# Allegro board SG2042_EVB_V2_0.brd (continued)
## Routing (per net, layer and track width the routed paths; a pad name or vN(x,y) marks a point on that pad's centre or on a via; arc(x,y) is an arc through that point) (continued)
USB2_DM: length 13
  TOP w0.099: J103.B7 v1(6.45,160.03) ; R12716.1 10.81,160.62 10.38,160.62 10.16,160.4 10.16,159.54 9.78,159.17 9.33,159.17 D523.1 8.96,159.17 8.47,159.17 v1(8.31,159) 8.28,159.03 J103.A7
  BOTTOM w0.099: v1(8.31,159) 8.14,159.17 7.62,159.17 7.26,159.52 7.26,160.41 6.97,160.71 6.04,160.71 5.77,160.43 5.77,159.21 5.97,159.01 6.35,159.01 6.45,159.11 v1(6.45,160.03)
USB2_DN: length 68.3
  TOP w0.099: v1(34.82,155.1) 34.63,154.9 31.6,154.9 31.52,154.99 U3241.51
  ART03 w0.107: v1(34.82,155.1) 34.72,154.99 arc(34.63,154.93) 34.51,154.91 34.49,154.91 arc(34.38,154.93) 34.29,154.99 34.27,155.01 arc(34.21,155.1) 34.19,155.21 34.19,155.43 arc(34.25,155.73) 34.41,155.98 34.59,156.15 arc(34.89,156.6) 34.99,157.12 34.99,208.93 29.96,213.96 29.17,213.96 v1(28.98,214.15)
  BOTTOM w0.099: R12611.1 28.22,214.27 L1018.2 28.89,214.24 v1(28.98,214.15)
USB2_DP: length 13
  TOP w0.099: R12717.1 10.81,160.85 10.28,160.85 9.93,160.5 9.93,159.64 9.69,159.4 9.33,159.4 D522.1 8.96,159.39 8.47,159.39 v1(8.31,159.56) 8.28,159.53 J103.A6 ; J103.B6 v1(6.45,158.53)
  BOTTOM w0.099: v1(8.31,159.56) 8.14,159.39 7.71,159.39 7.49,159.61 7.49,160.5 7.06,160.93 5.94,160.93 5.54,160.53 5.54,159.12 5.87,158.78 6.35,158.78 6.45,158.69 v1(6.45,158.53)
USB2_DP_16773809: length 68.3
  TOP w0.099: v1(34.82,154.49) 34.63,154.68 31.6,154.68 31.52,154.59 U3241.50
  ART03 w0.107: v1(28.98,213.54) 29.17,213.73 29.86,213.73 34.76,208.83 34.76,157.12 arc(34.67,156.69) 34.42,156.32 34.25,156.14 arc(34.03,155.82) 33.95,155.43 33.95,155.21 arc(33.99,155.01) 34.11,154.84 34.12,154.82 arc(34.29,154.71) 34.49,154.67 34.51,154.67 arc(34.63,154.65) 34.72,154.59 v1(34.82,154.49)
  BOTTOM w0.099: v1(28.98,213.54) 28.89,213.44 L1018.3 28.22,213.41 R12609.1
USB2_RX_N: length 0.9
  BOTTOM w0.099: R12601.1 C6008.1
USB2_RX_P: length 0.9
  BOTTOM w0.099: R12603.1 C6007.1
USB2_TX_N: length 0.9
  BOTTOM w0.099: R12605.1 C5919.2
USB2_TX_P: length 0.9
  BOTTOM w0.099: R12607.1 C5918.2
USB3_DN: length 53.2
  TOP w0.099: U3241.59 27.43,156.28 27.51,156.37 27.51,158.84 v1(27.32,159.03) ; R12792.1 21.42,196.39 L1029.3 22.08,196.36 v1(22.17,196.27)
  ART14 w0.107: v1(22.17,196.27) 22.28,196.16 arc(22.37,196.1) 22.48,196.08 22.82,196.08 arc(23.03,196.04) 23.2,195.92 24.47,194.65 arc(24.57,194.59) 24.68,194.57 29.51,194.57 arc(30.31,194.24) 30.64,193.44 30.64,191.25 arc(30.56,190.84) 30.32,190.5 30.25,190.43 arc(30.07,190.16) 30.01,189.83 30.01,179.73 arc(30.18,178.85) 30.68,178.1 30.75,178.04 arc(31.3,177.21) 31.5,176.24 31.5,162.81 arc(31.14,161.04) 30.14,159.54 28.92,158.32 arc(28.75,158.2) 28.54,158.16 28.04,158.16 arc(27.84,158.2) 27.68,158.31 27.63,158.36 arc(27.54,158.49) 27.51,158.65 27.51,158.72 arc(27.49,158.83) 27.42,158.93 v1(27.32,159.03)
USB3_DP: length 53.3
  TOP w0.099: v1(22.17,195.66) 22.08,195.56 L1029.2 21.42,195.53 R12794.1 ; v1(27.93,159.03) 27.74,158.84 27.74,156.37 27.83,156.28 U3241.58
  ART14 w0.107: v1(27.93,159.03) 27.83,158.93 arc(27.76,158.83) 27.74,158.72 27.74,158.65 arc(27.76,158.58) 27.8,158.52 27.84,158.48 arc(27.93,158.42) 28.04,158.39 28.54,158.39 arc(28.66,158.42) 28.75,158.48 29.97,159.7 arc(30.93,161.13) 31.26,162.81 31.26,176.24 arc(31.09,177.12) 30.59,177.87 30.52,177.94 arc(29.97,178.76) 29.78,179.73 29.78,189.83 arc(29.86,190.24) 30.09,190.59 30.16,190.66 arc(30.34,190.93) 30.4,191.25 30.4,193.44 arc(30.14,194.07) 29.51,194.33 24.68,194.33 arc(24.48,194.37) 24.3,194.49 24.03,194.76 arc(23.86,194.83) 23.69,194.76 23.48,194.55 arc(23.14,194.55) 23.14,194.9 23.34,195.1 arc(23.42,195.28) 23.34,195.45 23.1,195.69 arc(22.93,195.8) 22.73,195.84 22.48,195.84 arc(22.37,195.82) 22.28,195.76 v1(22.17,195.66)
USB3_RX_N: length 0.9
  TOP w0.099: R12784.1 C6006.1
USB3_RX_P: length 0.9
  TOP w0.099: R12786.1 C6005.1
USB3_TX_N: length 0.9
  TOP w0.099: R12788.1 C5916.2
USB3_TX_P: length 0.9
  TOP w0.099: R12790.1 C5915.2
USB4_DN: length 49.7
  TOP w0.099: U3241.68 23.83,156.28 23.91,156.37 23.91,159.22 v1(23.72,159.41)
  ART03 w0.107: v1(23.72,159.41) 23.82,159.31 arc(23.89,159.21) 23.91,159.1 23.91,159.03 arc(23.94,158.86) 24.04,158.71 24.07,158.68 arc(24.23,158.58) 24.41,158.54 24.69,158.54 arc(25.12,158.63) 25.47,158.86 28.33,161.72 arc(30.67,165.23) 31.5,169.36 31.5,177.29 29.95,178.84 29.95,189.58 31.5,191.12 31.5,194.6 30.02,196.08 29.17,196.08 v1(28.98,196.27)
  BOTTOM w0.099: v1(28.98,196.27) 28.89,196.36 L1030.2 28.22,196.39 R12795.1
USB4_DP: length 49.8
  TOP w0.099: U3241.67 24.23,156.28 24.14,156.37 24.14,159.22 v1(24.33,159.41)
  ART03 w0.107: v1(24.33,159.41) 24.23,159.31 arc(24.16,159.21) 24.14,159.1 24.14,159.03 arc(24.16,158.95) 24.21,158.87 24.23,158.85 arc(24.32,158.79) 24.41,158.78 24.69,158.78 arc(25.03,158.84) 25.31,159.03 28.17,161.89 arc(30.46,165.32) 31.26,169.36 31.26,177.19 29.72,178.74 29.72,189.68 31.26,191.22 31.26,194.5 30.92,194.84 arc(30.75,194.91) 30.58,194.84 30.38,194.64 arc(30.03,194.64) 30.03,194.98 30.23,195.19 arc(30.3,195.36) 30.23,195.53 29.92,195.84 29.17,195.84 v1(28.98,195.66)
  BOTTOM w0.099: R12793.1 28.22,195.53 L1030.3 28.89,195.56 v1(28.98,195.66)
USB4_RX_N: length 0.9
  BOTTOM w0.099: R12785.1 C6004.1
USB4_RX_P: length 0.9
  BOTTOM w0.099: R12787.1 C6003.1
USB4_TX_N: length 0.9
  BOTTOM w0.099: R12789.1 C5910.1
USB4_TX_N_L: length 49.7
  TOP w0.099: U3241.62 26.23,156.28 26.31,156.37 26.31,157.29 v1(26.12,157.48)
  ART03 w0.107: v1(26.12,157.48) 26.22,157.58 arc(26.29,157.68) 26.31,157.79 26.31,157.96 arc(26.42,158.24) 26.7,158.35 27.76,158.35 arc(28.92,158.58) 29.9,159.24 30.68,160.02 arc(31.9,161.84) 32.33,164 32.33,196.53 31.32,197.54 arc(31.2,197.59) 31.08,197.54 arc(30.96,197.49) 30.84,197.54 30.73,197.64 arc(30.68,197.76) 30.73,197.88 arc(30.78,198) 30.73,198.12 30.02,198.84 29.5,198.84 v1(29.31,198.65)
  BOTTOM w0.099: v1(29.31,198.65) 29.18,198.53 C5910.2
USB4_TX_P: length 0.9
  BOTTOM w0.099: R12791.1 C5912.1
USB4_TX_P_L: length 49.7
  TOP w0.099: U3241.61 26.63,156.28 26.54,156.37 26.54,157.29 v1(26.73,157.48)
  ART03 w0.107: v1(29.31,199.26) 29.5,199.08 30.11,199.08 32.56,196.62 32.56,164 arc(32.12,161.75) 30.84,159.85 30.06,159.07 arc(29.01,158.36) 27.76,158.12 26.7,158.12 arc(26.59,158.07) 26.54,157.96 26.54,157.79 arc(26.56,157.68) 26.63,157.58 v1(26.73,157.48)
  BOTTOM w0.099: v1(29.31,199.26) 29.18,199.39 C5912.2
USB5_DN: length 233
  TOP w0.099: v1(37.06,171.55) 36.87,171.36 28.52,171.36 28.02,170.85 27.49,170.85 27.21,171.14 L1007.3 26.62,171.17 R12453.1 ; v1(217.73,167.94) 217.92,167.75 217.92,166.83 217.83,166.75 U3259.68
  ART05 w0.089: v1(217.73,167.94) 217.92,168.14 217.92,168.46 217.74,168.64 216.84,168.64 216.55,168.35 216.55,165.06 198.03,146.55 158.61,146.55 147.22,135.15 74.22,135.15 55.14,154.24 48.92,154.24 44.31,158.84 44.31,161.53 42.94,162.9 38.21,162.9 35.85,165.26 35.85,170.93 36.28,171.35 36.86,171.35 v1(37.06,171.55)
USB5_DP: length 233
  TOP w0.099: U3259.67 218.23,166.75 218.15,166.83 218.15,167.75 v1(218.34,167.94) ; v1(37.06,170.94) 36.87,171.13 28.62,171.13 28.11,170.62 27.49,170.62 27.21,170.34 L1007.2 26.62,170.31 R12455.1
  ART05 w0.089: v1(218.34,167.94) 218.14,168.14 218.14,168.55 217.83,168.86 216.75,168.86 216.33,168.44 216.33,165.15 197.94,146.76 158.52,146.76 147.13,135.37 74.31,135.37 55.23,154.45 49,154.45 44.53,158.93 44.53,161.62 43.03,163.12 38.3,163.12 36.07,165.35 36.07,169.53 arc(36.11,169.64) 36.22,169.68 arc(36.34,169.73) 36.38,169.84 36.38,169.97 arc(36.34,170.08) 36.22,170.13 arc(36.11,170.18) 36.07,170.29 36.07,170.84 36.37,171.14 36.86,171.14 v1(37.06,170.94)
USB6_DN: length 231.8
  TOP w0.099: v1(221.33,167.94) 221.52,167.75 221.52,166.83 221.43,166.74 U3259.59 ; R12456.1 26.62,168.07 L1008.2 27.21,168.1 27.49,168.39 27.92,168.39 28.43,167.88 36.87,167.88 v1(37.06,167.69)
  ART05 w0.089: v1(37.06,167.69) 37.26,167.89 37.72,167.89 38.29,167.32 38.29,166.91 arc(38.24,166.8) 38.13,166.75 arc(38.02,166.71) 37.98,166.6 37.98,166.46 arc(38.02,166.35) 38.13,166.31 arc(38.24,166.26) 38.29,166.15 38.29,165.5 39.09,164.71 42.58,164.71 45.33,161.95 45.33,159.27 48.04,156.55 50.74,156.55 52.03,155.26 55.56,155.26 74.65,136.17 146.79,136.17 158.19,147.57 197.61,147.57 213.14,163.1 213.14,168.01 214.8,169.66 220.38,169.66 221.52,168.52 221.52,168.14 v1(221.33,167.94)
USB6_DP: length 231.8
  TOP w0.099: v1(37.06,168.3) 36.87,168.11 28.52,168.11 28.02,168.62 27.49,168.62 27.21,168.9 L1008.3 26.62,168.94 R12454.1 ; v1(221.94,167.94) 221.75,167.75 221.75,166.83 221.83,166.75 U3259.58
  ART05 w0.089: v1(37.06,168.3) 37.26,168.1 37.81,168.1 38.51,167.41 38.51,165.59 39.18,164.92 42.67,164.92 45.55,162.04 45.55,159.36 48.13,156.77 50.83,156.77 52.12,155.47 55.65,155.47 74.74,136.39 146.7,136.39 158.1,147.78 197.52,147.78 212.93,163.19 212.93,168.1 214.71,169.88 220.47,169.88 221.74,168.61 221.74,168.14 v1(221.94,167.94)
USB7_DN: length 15.9
  TOP w0.099: J2045.8 236.82,167.05 236.72,167.15 234.82,167.15 234.71,167.04 233.33,167.04 D589.2 233.05,166.96 arc(232.95,167.02) 232.84,167.04 231.02,167.04 arc(230.76,167.15) 230.64,167.42 230.64,167.65 arc(230.62,167.77) 230.56,167.87 v1(230.45,167.97) ; v1(227.69,165.56) 227.5,165.37 225.61,165.37 225.52,165.46 U3259.51
  BOTTOM w0.099: v1(227.69,165.56) 227.79,165.46 arc(227.89,165.39) 228,165.37 229.1,165.37 arc(229.68,165.49) 230.18,165.82 230.2,165.83 arc(230.53,166.33) 230.64,166.91 230.64,167.65 arc(230.62,167.77) 230.56,167.87 v1(230.45,167.97)
USB7_DP: length 15.9
  TOP w0.099: U3259.50 225.52,165.06 225.61,165.14 227.5,165.14 v1(227.69,164.95) ; J2045.9 236.82,167.48 236.72,167.38 234.73,167.38 234.62,167.27 233.33,167.27 D590.2 233.05,167.36 arc(232.95,167.29) 232.84,167.27 231.02,167.27 arc(230.92,167.32) 230.87,167.42 230.87,167.65 arc(230.9,167.77) 230.96,167.87 v1(231.06,167.97)
  BOTTOM w0.099: v1(231.06,167.97) 230.96,167.87 arc(230.9,167.77) 230.87,167.65 230.87,166.91 arc(230.74,166.24) 230.36,165.67 230.34,165.66 arc(229.77,165.27) 229.1,165.14 228,165.14 arc(227.89,165.12) 227.79,165.05 v1(227.69,164.95)
USB7_RX_N: length 5.4
  TOP w0.099: J2045.6 236.82,161.48 236.72,161.38 234.75,161.38 234.62,161.25 233.33,161.25 D588.2 232.54,161.44 C6093.1
USB7_RX_P: length 5.4
  TOP w0.099: J2045.5 236.82,161.05 236.72,161.15 234.84,161.15 234.71,161.02 233.33,161.02 D587.2 232.54,160.84 C6092.1
USB7_TX_N: length 5.4
  TOP w0.099: J2045.3 236.82,155.48 236.72,155.38 234.74,155.38 234.62,155.26 233.33,155.26 D586.2 232.54,155.44 C6091.2
USB7_TX_P: length 5.4
  TOP w0.099: J2045.2 236.82,155.05 236.72,155.15 234.84,155.15 234.71,155.03 233.33,155.03 D585.2 232.54,154.84 C6090.2
USB8_DN: length 22.2
  TOP w0.099: v1(231.67,170.21) 231.78,170.1 arc(231.84,170.01) 231.86,169.89 231.86,169.66 arc(231.97,169.39) 232.24,169.28 232.84,169.28 arc(232.95,169.26) 233.05,169.19 D580.2 233.33,169.28 234.62,169.28 234.75,169.15 238.72,169.15 238.82,169.05 J2045.12 ; U3259.42 225.52,161.86 225.61,161.77 227.5,161.77 v1(227.69,161.96)
  BOTTOM w0.099: v1(227.69,161.96) 227.79,161.86 arc(227.89,161.79) 228,161.77 228.28,161.77 arc(228.57,161.83) 228.82,161.99 230.24,163.41 arc(231.44,165.21) 231.86,167.33 231.86,169.89 arc(231.84,170.01) 231.78,170.1 v1(231.67,170.21)
USB8_DP: length 22.2
  TOP w0.099: v1(227.69,161.35) 227.5,161.54 225.61,161.54 225.52,161.46 U3259.41 ; v1(232.28,170.21) 232.18,170.1 arc(232.12,170.01) 232.09,169.89 232.09,169.66 arc(232.14,169.55) 232.24,169.51 232.84,169.51 arc(232.95,169.53) 233.05,169.59 D579.2 233.33,169.51 234.71,169.51 234.84,169.38 238.72,169.38 238.82,169.48 J2045.11
  BOTTOM w0.099: v1(232.28,170.21) 232.18,170.1 arc(232.12,170.01) 232.09,169.89 232.09,167.33 arc(231.65,165.12) 230.4,163.25 228.98,161.83 arc(228.66,161.62) 228.28,161.54 228,161.54 arc(227.89,161.52) 227.79,161.45 v1(227.69,161.35)
USB8_RX_N: length 7.4
  TOP w0.099: J2045.14 238.82,163.48 238.72,163.38 234.82,163.38 234.71,163.49 233.33,163.49 D581.2 232.54,163.67 C6099.1
USB8_RX_P: length 7.4
  TOP w0.099: C6098.1 232.54,163.07 D582.2 233.33,163.26 234.62,163.26 234.73,163.15 238.72,163.15 238.82,163.05 J2045.15
USB8_TX_N: length 7.4
  TOP w0.099: J2045.17 238.82,157.48 238.72,157.38 234.83,157.38 234.71,157.49 233.33,157.49 D583.2 232.54,157.68 C6097.1
USB8_TX_P: length 7.4
  TOP w0.099: J2045.18 238.82,157.05 238.72,157.15 234.73,157.15 234.62,157.26 233.33,157.26 D584.2 232.54,157.08 C6096.1
USB_OUT_3V32: length 7.7
  TOP w0.254: U805.6 v1(12.67,159.99) ; R1141.1 v1(15.88,155.5)
  BOTTOM w0.381: v1(12.67,159.99) 12.68,159.99 C1668.1 C1669.1 13.31,158.47 15.88,155.91 v1(15.88,155.5)
USBC1_1V05: length 20.9
  TOP w0.203: U3241.54 v1(29.43,156.44) ; U3241.37 v1(31.67,149.39) ; v1(27.75,147.14) 27.83,147.22 U3241.28 ; U3241.60 v1(27.03,156.44) ; U3241.43 v1(31.67,151.79) ; U3241.63 v1(25.83,156.44) ; U3241.12 v1(22.38,150.59) ; U3241.46 v1(31.67,152.99) ; U3241.9 v1(22.38,151.79)
  BOTTOM w0.381: v1(31.67,151.79) 31.42,151.54 C5904.1 C5897.2 C5903.1 31.4,153.26 v1(31.67,152.99) ; v1(22.38,150.59) 22.65,150.32 C5908.1 C5898.2 C5907.1 22.63,152.04 v1(22.38,151.79) ; v1(31.67,149.39) 31.66,149.4 C5905.1 C5899.2 FB2045.1 ; v1(27.03,156.44) 27.28,156.18 C5901.1 C5896.2 C5900.1 25.55,156.17 v1(25.83,156.44) ; C5902.1 29.39,156.4 v1(29.43,156.44) ; v1(27.75,147.14) 27.58,147.31 C5906.1
USBC1_3V3: length 29.8
  TOP w0.203: v1(28.3,147.14) 28.23,147.22 U3241.29 ; U3241.57 v1(28.23,156.44) ; U3241.15 v1(22.38,149.39) ; U3241.40 v1(31.67,150.59) ; U3241.66 v1(24.63,156.44) ; U3241.49 v1(31.67,154.19)
  TOP w0.254: R12595.1 R12588.1 R12586.1 R12587.1 R12585.1 ; R12595.1 v1(25.45,144.3) ; R12595.1 R12597.1 R12596.1 R12598.1 ; v1(31.39,140.59) R12579.1 R12581.1 ; R12578.1 v1(20.57,148.26) ; v1(18.8,143.13) R12580.1 R12592.2 R12593.2
  TOP w0.381: 28.43,141.86 C5917.1 ; C5917.1 29.97,142.75 29.59,143.13 U3242.8 ; C5917.1 v1(29.97,141.25)
  BOTTOM w0.381: v1(22.38,149.39) 22.39,149.38 C5893.1 C5887.2 ; FB2043.2 23.44,155.83 C5891.1 24.61,156.43 v1(24.63,156.44) ; C5890.1 31.67,150.6 v1(31.67,150.59) ; v1(28.3,147.14) 28.45,147.29 C5889.1 ; v1(28.23,156.44) 28.22,156.43 C5892.1 ; FB2044.1 31.06,155.85 C5886.2 C5888.1 31.66,154.18 v1(31.67,154.19)
USBC2_1V05: length 20.9
  TOP w0.203: U3259.12 v1(216.38,161.06) ; U3259.54 v1(223.43,166.9) ; U3259.43 v1(225.68,162.26) ; U3259.63 v1(219.83,166.9) ; U3259.60 v1(221.03,166.9) ; U3259.46 v1(225.68,163.46) ; U3259.28 221.83,157.68 v1(221.75,157.61) ; U3259.9 v1(216.38,162.26) ; U3259.37 v1(225.68,159.86)
  BOTTOM w0.381: C6070.1 223.39,166.87 v1(223.43,166.9) ; v1(221.75,157.61) 221.59,157.77 C6074.1 ; v1(219.83,166.9) 219.56,166.63 C6068.1 C6064.2 C6069.1 221.28,166.65 v1(221.03,166.9) ; v1(216.38,161.06) 216.66,160.78 C6083.1 C6066.2 C6075.1 216.64,162.51 v1(216.38,162.26) ; FB2049.1 C6067.2 C6073.1 225.67,159.87 v1(225.68,159.86) ; v1(225.68,162.26) 225.43,162 C6072.1 C6065.2 C6071.1 225.41,163.73 v1(225.68,163.46)
USBC2_3V3: length 30.4
  TOP w0.203: U3259.49 v1(225.68,164.66) ; U3259.40 v1(225.68,161.06) ; U3259.66 v1(218.63,166.9) ; U3259.15 v1(216.38,159.86) ; v1(222.31,157.61) 222.23,157.68 U3259.29 ; U3259.57 v1(222.23,166.9)
  TOP w0.254: 224.66,149.78 224.66,151.05 v1(225.27,151.05) ; R12815.1 R12818.1 R12817.1 R12819.1 R12828.1 ; R12807.1 v1(214.58,158.72) ; R12828.1 v1(219.46,154.76) ; R12828.1 R12830.1 R12829.1 R12831.1 ; v1(212.67,153.59) R12809.1 R12825.2 R12826.2
  TOP w0.381: U3260.7 C6088.1 ; C6088.1 v1(223.85,151.71) ; C6088.1 223.85,153.21 223.47,153.59 U3260.8
  BOTTOM w0.381: v1(225.68,164.66) 225.67,164.64 C6058.1 C6054.2 FB2048.1 v1(225.83,166.6) ; v1(222.23,166.9) 222.22,166.9 C6057.1 ; v1(222.31,157.61) 222.45,157.75 C6060.1 ; v1(216.38,159.86) 216.4,159.84 C6061.1 C6055.2 ; C6059.1 225.67,161.06 v1(225.68,161.06) ; FB2047.2 217.45,166.29 C6056.1 218.62,166.89 v1(218.63,166.9)
VEMMC: length 14.3
  TOP w0.203: v1(218.7,277.89) U2.K9 U2.J10 v1(217.2,278.39) ; U2.E6 U2.F5 v1(220.7,275.89)
  BOTTOM w0.254: 216.71,278.39 216.71,278.94 C542.2 FB1.2 ; 216.71,278.39 v1(217.2,278.39) ; 216.71,278.39 216.71,277.88 ; v1(218.7,277.89) 218.68,277.88 C543.2 ; C543.2 218.08,278.36 ; C543.2 216.71,277.88 ; v1(220.7,275.89) 220.51,276.07 C541.2 218.92,275.92 217.55,275.92 216.71,276.76 216.71,277.88
VMON_N: length 57.8
  TOP w0.102: U1.A30 118.25,265.96 120.11,267.82 134.85,267.82 149.17,282.14 149.17,284.25 T3.1
VMON_P: length 58.8
  TOP w0.102: T2.1 149.38,284.28 149.38,282.06 134.93,267.61 120.19,267.61 118.75,266.17 118.75,248.05 U1.B30
VQPS18: length 0.6
  TOP w0.254: 116.79,174.09 U13.A1 117.09,173.78
  vias: v1(116.87,174.37) v1(117.25,208.55) v1(117.42,174.37)
WP#: length 1.6
  TOP w0.102: U3275.3 R12975.1
XI: length 6.5
  TOP w0.102: R12498.1 136.55,95.5 C5688.2 137.08,95.48 137.39,95.17 138.28,95.17 139.07,94.39 139.07,92.01 U3235.AC1
XI_10048: length 3.7
  TOP w0.102: U3237.29 228.05,70.4 C5839.2 229.06,70.26 X5.1
XO: length 7
  TOP w0.102: U3235.AC2 138.86,91.41 138.86,94.3 138.19,94.97 137.39,94.97 137.08,94.67 C5688.1 136.55,94.64 R12496.1
XO_10048: length 5.7
  TOP w0.102: U3237.28 227.31,69.9 227.76,69.44 C5839.1 228.32,69.57 229.92,69.57 X5.3
XTAL_32K: length 12.1
  TOP w0.102: R471.2 119.25,258.14 U1.A31
XTALIN: length 6.3
  TOP w0.102: X6.3 32.12,146.01 31.52,145.41 C5921.2 30.44,144.97 29.29,144.97 29.03,145.24 U3241.31
XTALIN_15483213: length 10.5
  TOP w0.102: X8.3 200.85,86.75 199.8,87.81 198.32,87.81 C6169.2 197.49,87.73 195.81,87.73 195.38,88.16 195.38,91.74 U3273.A3
XTALIN_22472304: length 6.3
  TOP w0.102: U3259.31 223.03,155.7 223.3,155.44 224.45,155.44 C6095.2 225.53,155.88 226.12,156.48 X7.3
XTALOUT: length 3.6
  TOP w0.102: U3241.30 28.63,147.35 28.82,147.15 28.82,144.89 R12599.1
XTALOUT_15483231: length 4.2
  TOP w0.102: U3273.A2 195.58,91.73 195.58,88.87 R12952.1
XTALOUT_22472305: length 3.6
  TOP w0.102: R12832.1 222.83,155.35 222.83,157.61 222.63,157.81 U3259.30
N268855: length 1.8
  TOP w0.102: J1.238 183.94,200.23 R2.1
N268909: length 6.2
  TOP w0.102: R3.1 183.63,162.16 181.63,162.16 181.17,161.7 181.17,161.7 180.79,161.31 180.78,161.31 180.59,161.13 J1.140
N268955: length 8.2
  TOP w0.102: R4.1 183.41,163.32 182.87,163.86 181.64,163.86 180.79,163.01 179.76,163.01 178.91,162.16 176.9,162.16 J1.139
N15479175: length 2
  TOP w0.102: U3273.G1 198.69,96.84 R12951.1
N15493907: length 7.1
  TOP w0.102: U3273.N6 193.08,101.24 198.7,101.24 R12966.1 R12967.1
N15520064: length 1.4
  TOP w0.102: U3273.V21 v1(180.29,106.03)
  BOTTOM w0.102: R12955.1 180.36,106.1 v1(180.29,106.03)
N15561118: length 3
  TOP w0.102: R12960.1 182.68,90.02 182.68,92.44 U3273.B18
N15561318: length 6.5
  TOP w0.102: R12954.1 181.08,111.6 181.08,106.84 U3273.V19
N15561402: length 12.8
  TOP w0.102: U3273.AB23 174.18,113.74 TP42.1
N15561454: length 3
  TOP w0.102: R12959.1 177.07,92.44 179.48,92.44 U3273.B22
N15593871: length 4
  TOP w0.102: R12968.1 v1(187.66,90.63) ; U3273.C12 v1(188.28,93.25)
  ART03 w0.102: v1(188.28,93.25) 187.88,92.85 187.88,90.91 187.66,90.68 v1(187.66,90.63)
N16795239: length 5
  TOP w0.102: U3237.47 220.05,77.44 218.95,78.54 SMCL1.1
N16795593: length 2
  TOP w0.102: GPIO1.1 217.17,71.4 U3237.6
N16796148: length 1.1
  TOP w0.254: R12554.1 LED501.C
N16800835: length 2.7
  TOP w0.102: R107.1 C577.1 112.39,264.41 X1.1
N16800988: length 1.6
  TOP w0.102: R124.1 114.77,259.93 X1.3
N16801147: length 2.7
  TOP w0.102: X2.1 107.77,264.41 C581.1 R139.1
N16801273: length 1.6
  TOP w0.102: R144.1 110.14,259.93 X2.3
N16801494: length 2.7
  TOP w0.102: R161.1 C585.1 124.61,264.41 X3.1
N16801627: length 1.9
  TOP w0.102: X3.3 126.98,260.44 R186.1
N16820738: length 2
  TOP w0.102: J2.238 174.75,200.23 R6.1
N16820747: length 17.3
  TOP w0.102: J2.140 169.1,160.94 171.59,160.94 172.44,161.79 174.38,161.79 175.23,162.64 177.19,162.64 178.04,163.49 179.07,163.49 179.92,164.34 180.99,164.34 181.84,165.19 182.92,165.19 R7.1
N16820756: length 18.9
  TOP w0.102: R8.1 183.41,165.56 181.64,165.56 180.79,164.71 179.76,164.71 178.91,163.86 177.84,163.86 176.99,163.01 175.05,163.01 174.2,162.16 172.24,162.16 171.39,161.31 170.25,161.31 169.59,161.98 J2.139
N16828823: length 7.9
  TOP w0.102: R10.1 51.77,200.23 52.61,201.08 53.66,201.08 54.51,200.23 J3.238
N16828836: length 3.4
  TOP w0.102: J3.140 49.64,161.13 R11.1
N16828849: length 1.8
  TOP w0.102: J3.139 49.63,161.98 R12.1
N16832496: length 8.1
  TOP w0.102: J4.238 63.91,200.23 63.06,201.08 62.01,201.08 61.16,200.23 R14.1
N16832505: length 14.3
  TOP w0.102: J4.140 62.2,161.31 59.02,161.31 58.55,161.79 56.31,161.79 55.46,162.64 54.44,162.64 53.59,163.49 52.51,163.49 51.66,164.34 50.06,164.34 R15.1
N16832514: length 12.3
  TOP w0.102: J4.139 60.6,162.16 56.51,162.16 55.66,163.01 54.58,163.01 53.73,163.86 52.71,163.86 51.86,164.71 49.59,164.71 R16.1
N16833185: length 6
  TOP w0.102: J10.1 234.67,279.63 R105.2
N16833257: length 5.4
  TOP w0.102: J10.11 236.04,268.81 R118.2 R138.2
N16848150: length 4.6
  TOP w0.254: U47.1 190.45,224.94 189.41,223.9 C1421.2 R449.1 R445.2
N16851719: length 1.8
  TOP w0.254: C1420.1 193.2,229.24 U47.6
N16851931: length 1.7
  TOP w0.102: R443.2 191.7,229.47 U47.9
N16879443: length 122.8
  TOP w0.102: U1.D30 v1(118.75,246.05) ; R36.2 v1(208.76,275.44)
  ART03 w0.102: v1(208.76,275.44) 206.22,277.98 206.22,283.03 204.6,284.66 193.3,284.66 189.31,288.65 183.41,288.65 180.49,291.57 169.37,291.57 166.8,289 163.05,289 129.09,255.04 123.44,255.04 118.45,250.05 118.45,248.04 118.25,247.84 118.25,246.55 v1(118.75,246.05)
N16879465: length 3
  TOP w0.089: 222.45,275.14 221.95,275.14 U2.C2
  TOP w0.102: 222.45,275.14 223.06,275.14 v1(223.09,275.11)
  BOTTOM w0.102: C525.2 C526.1 v1(223.09,275.11)
N16880032: length 3.3
  TOP w0.102: R46.1 16.73,282.67 D1.1 15.03,281.7 J8.5
N16880080: length 2.9
  TOP w0.102: R47.1 16.73,279.49 D7.1 13.81,279.49 J8.3
N16880122: length 3
  TOP w0.102: R49.1 16.73,283.79 D2.1 13.91,283.79 J8.7
N16880147: length 3
  TOP w0.102: R50.1 16.73,284.9 D3.1 13.9,284.9 J8.8
N16880195: length 3
  TOP w0.102: R51.1 16.73,278.38 D4.1 13.82,278.38 J8.2
N16880209: length 3
  TOP w0.102: J8.1 13.84,277.26 D5.1 16.73,277.26 R53.1
N16880231: length 3
  TOP w0.102: R54.1 16.73,286.02 D6.1 13.88,286.02 J8.9
N16880255: length 2
  TOP w0.102: U5.B2 22.05,278.97 R55.2 R52.2
N16956946: length 2
  TOP w0.102: R257.2 R258.2 116.13,173.13 U13.B2
N16965254: length 97.2
  TOP w0.102: R137.2 v1(38.43,277.8) ; U1.E18 v1(105.75,245.05)
  BOTTOM w0.102: v1(105.75,245.05) 106.13,245.43 106.13,246.51 106.33,246.71 106.33,250.33 68.57,288.09 46.41,288.09 42.96,284.64 40.97,284.64 39.52,283.19 39.52,278.89 v1(38.43,277.8)
N16965255: length 97.1
  TOP w0.102: R132.2 v1(38.43,279.53) ; U1.F18 v1(105.75,244.05)
  BOTTOM w0.102: v1(105.75,244.05) 106.37,244.67 106.37,246.46 106.54,246.63 106.54,250.41 68.66,288.29 46.32,288.29 42.87,284.84 40.88,284.84 39.32,283.28 39.32,280.42 v1(38.43,279.53)
N16965256: length 109.3
  TOP w0.102: U1.J22 v1(109.75,241.05) ; R134.2 v1(38.43,278.66)
  ART03 w0.102: v1(109.75,241.05) 110.37,241.67 110.37,250.96 68.95,292.38 46.98,292.38 39.22,284.61 39.22,279.45 v1(38.43,278.66)
N16965257: length 80.9
  TOP w0.102: R135.2 v1(45.72,286.49) ; U1.D17 v1(104.75,246.05)
  ART03 w0.102: v1(104.75,246.05) 105.13,246.43 105.13,250.91 69.05,286.99 46.23,286.99 v1(45.72,286.49)
N16965358: length 268.5
  TOP w0.089: U1.B38 125.85,247.95 125.85,248.75 125.92,248.82
  TOP w0.102: v1(212.42,270.84) 211.99,271.27 209.72,271.27 204.72,276.27 204.72,280.09 199.93,284.89 194.54,284.89 189.39,290.04 183.55,290.04 180.66,292.93 168.79,292.93 165.9,290.04 160.8,290.04 125.92,255.16 125.92,248.82 ; R205.2 v1(222.05,133.99)
  ART03 w0.102: v1(212.42,270.84) 212.01,270.43 212.01,260.34 207.9,256.23 207.9,250.17 206.15,248.42 206.15,244.37 206.81,243.71 206.81,243.04 206.81,243.04 206.81,234.95 206.15,234.29 206.15,149.89 v1(222.05,133.99)
N16965360: length 264.1
  TOP w0.102: U1.A39 127.25,254.91 161.27,288.93 166.37,288.93 169.25,291.81 180.2,291.81 183.08,288.93 188.92,288.93 194.08,283.77 199.14,283.77 203.66,279.25 203.66,274.98 207.57,271.07 211.58,271.07 v1(211.81,270.84) ; R206.2 v1(221.18,133.99)
  ART03 w0.102: v1(211.81,270.84) 211.81,260.43 207.7,256.31 207.7,250.26 205.94,248.51 205.94,244.29 206.6,243.63 206.6,243.12 206.6,235.03 205.94,234.37 205.94,149.22 v1(221.18,133.99)
N16965714: length 261.5
  TOP w0.102: U1.F39 v1(127.75,244.05) ; R216.2 v1(218.59,133.99)
  ART03 w0.102: v1(218.59,133.99) 205.74,146.84 205.74,234.46 206.4,235.12 206.4,243.21 206.4,243.54 205.74,244.2 205.74,248.59 206.81,249.66 206.81,255.71 211.4,260.31 v1(211.4,269.01)
  BOTTOM w0.102: v1(127.75,244.05) 127.37,244.43 127.37,250.27 165.14,288.04 183.76,288.04 188.81,282.98 199.03,282.98 200.46,281.56 200.46,276.5 207.94,269.01 v1(211.4,269.01)
N16965716: length 268.2
  TOP w0.089: 125.58,248.81 125.65,248.75 125.65,246.95 U1.C37
  TOP w0.102: 125.58,248.81 125.58,255.11 160.72,290.25 165.82,290.25 168.7,293.13 180.75,293.13 183.63,290.25 189.47,290.25 194.63,285.09 200.02,285.09 204.93,280.18 204.93,276.35 209.8,271.48 211,271.48 v1(211.4,271.88) ; R218.2 v1(217.73,133.99)
  ART03 w0.102: v1(211.4,271.88) 211,271.48 211,260.19 206.6,255.8 206.6,249.74 205.54,248.67 205.54,244.12 206.2,243.46 206.2,243.29 206.2,235.2 205.54,234.54 205.54,146.18 v1(217.73,133.99)